# Altium PCB 2-quilter-output.PcbDoc (part 19 of 26)
Units mil, origin at the board's own origin, x right, y up, seen from the top; angles counter-clockwise.
Board outline 4130.55 x 4250 mil, 8 copper layers (L1, Ground L2, L3, Power L4, Ground L5, L6, Ground L7, L8), stack 62.985 mil thick; 591 components, 494 nets, 2245 pads, 1508 vias.
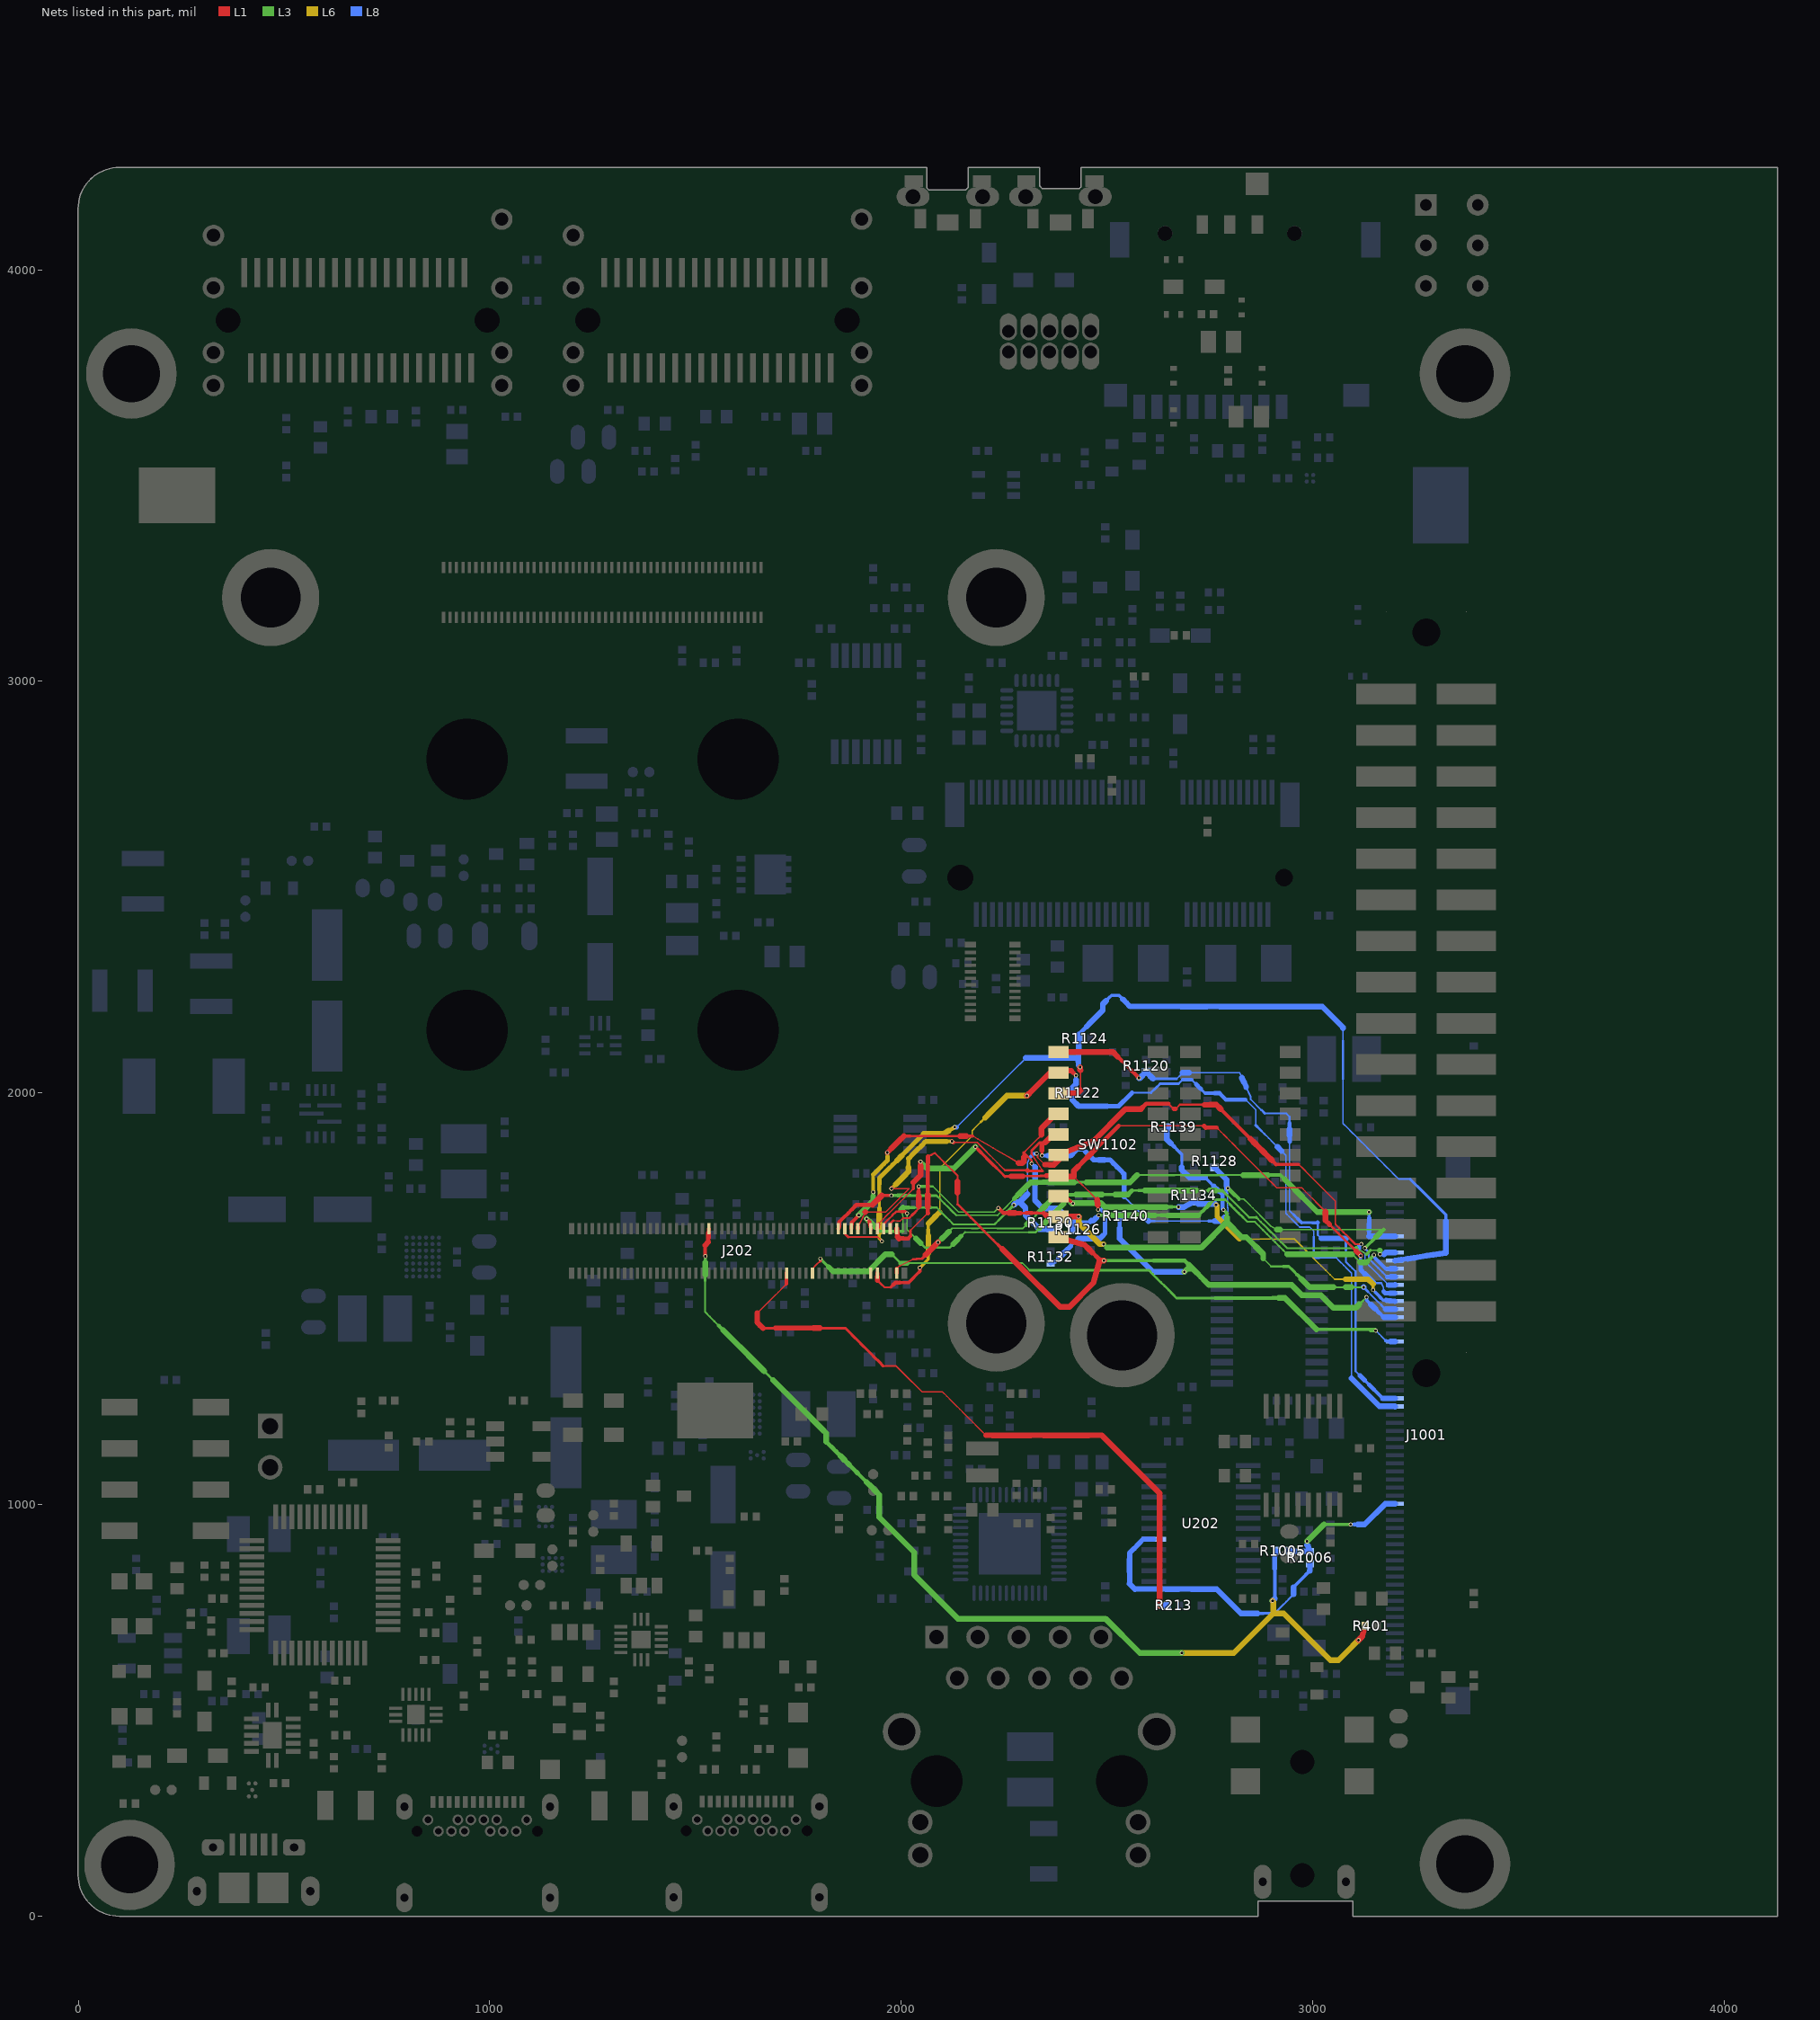
[diagram p25: the nets of this part, all layers, seen from the top]

## Via types
v1: diameter 9.85, hole 5.91, L1 to L8, tented both sides, 1508 vias

## Nets (pads, with @x,y where several pads share a name; then routed paths per layer and width w, separated by ;. In a path a pad name is that pad's centre, name@x,y a point inside that pad or via, vN(x,y) a via of type N, cw(c..) or ccw(c..) an arc to the next point about the centre after c; other vN are vias at no path point) (continued)
SAI1_RXD6: J202.92 J1001.26 R1120.1 SW1102.1 | length 1534.7
  L1 w6.9: 2536.41,2077.69 2546.96,2067.15 2557.5,2056.6
  L1 w9.96: 2525.87,2088.24 2536.41,2077.69 ; 2557.5,2056.6 2568.04,2046.06 v1(2578.02,2036.09)
  L1 w14.05: SW1102.1@2382.63,2098.79 2515.32,2098.78 2525.87,2088.24
  L8 w3.83: 2669.92,2034.07 2677.3,2041.45 2684.67,2048.83 ; 2700.04,2048.82 2715.39,2048.82 2730.75,2048.82 2746.1,2048.82 2761.45,2048.82 2776.81,2048.82 2792.16,2048.82 2807.52,2048.82 2822.87,2048.82 2828.24,2037.12 ; 2838.99,2013.72 2844.36,2002.02 2849.73,1990.32 2849.73,1984.1 2858.33,1975.5 2866.92,1966.91 2875.51,1958.32 ; 2936.8,1949.72 2944.33,1942.18 ; 2944.33,1881.25 2944.33,1866.02 2944.33,1850.78 2944.33,1835.55 2944.33,1820.32 2944.33,1805.08 2944.33,1789.85 2944.33,1774.61 2944.33,1759.38 2944.33,1744.15 2944.33,1728.91 2944.33,1713.68 2954.01,1704
  L8 w4.85: 2884.11,1949.72 2897.28,1949.72 2910.45,1949.72 2923.62,1949.72 2936.8,1949.72 ; 2944.33,1926.95 2944.33,1942.18 ; 3012.87,1684.25 3012.87,1672.97 3012.87,1661.68 3012.87,1654.58 3021.14,1646.31 ; 3081.39,1617.71 3081.39,1603.42 3081.39,1589.13 3089.1,1581.42 3096.81,1573.71 3104.52,1566 3104.52,1550.85 3104.52,1535.71 3104.52,1520.57 3104.52,1505.43 3104.52,1490.29 3104.52,1475.15 3104.52,1460.01 3104.52,1444.87 3104.52,1429.73 3104.52,1414.59 3104.52,1399.45 3104.52,1384.31 3104.52,1369.16 3104.52,1354.02 3104.52,1338.88 3104.52,1323.74 3115.58,1312.68
  L8 w5.87: 2612.61,2034.07 2626.94,2034.07 2641.26,2034.07 2655.59,2034.07 2669.92,2034.07 ; 2875.51,1958.32 2884.11,1949.72 ; 2954.01,1704 2963.69,1694.32 ; 3081.39,1617.71 3081.39,1632.01 3081.39,1646.3
  L8 w6.9: 2973.37,1684.64 2973.75,1684.26 2986.79,1684.26 2999.82,1684.26
  L8 w7.92: 2963.69,1694.32 2973.37,1684.64 ; 2999.82,1684.26 3012.86,1684.26 ; 3126.64,1301.62 3137.7,1290.56 ; 3159.83,1268.43 3170.89,1257.37
  L8 w8.94: 3148.77,1279.5 3159.83,1268.43
  L8 w9.96: 2944.33,1911.72 2944.33,1926.95
  L8 w10.99: 2944.33,1881.25 2944.33,1896.48 ; 3137.7,1290.56 3148.77,1279.5
  L8 w12.01: 3115.58,1312.68 3126.64,1301.62
  L8 w13.03: 2833.61,2025.42 2838.99,2013.72 ; 3021.14,1646.31 3029.84,1646.31 3042.73,1646.31 3055.61,1646.31 3068.5,1646.31 3081.38,1646.31
  L8 w14.05: v1(2578.02,2036.09) 2580.91,2036.09 R1120.1@2595.74,2050.92 ; R1120.1@2595.75,2050.93 2612.61,2034.07 ; 2684.68,2048.82 2700.04,2048.82 ; 2828.24,2037.12 2833.61,2025.42 ; 2944.33,1896.48 2944.33,1911.72 ; 3170.89,1257.36 3178.74,1257.36 J1001.26@3200.73,1257.37
SAI1_RXD7: J202.94 J1001.27 R1122.1 SW1102.2 | length 2357.7
  L1 w4.85: 1942.22,1544.57 1950.77,1536.02 1959.32,1527.47 1967.23,1527.47 1975.14,1527.47
  L1 w7.92: 1975.14,1527.47 1980.89,1533.22 ; 1997.27,1538.98 2007.9,1538.98 2018.52,1538.98 2027.57,1548.03 2036.62,1557.08 2045.67,1566.13 v1(2045.67,1574.88)
  L1 w8.94: 2419.24,2048.01 v1(2425.01,2042.24)
  L1 w9.96: J202.94@1942.22,1553.25 J202.94@1942.21,1561.94 ; 1980.89,1533.22 1986.65,1538.98 1997.27,1538.98
  L1 w10.99: 2413.46,2053.78 2419.24,2048.01
  L1 w12.01: 1942.22,1544.57 J202.94@1942.22,1553.25
  L1 w14.05: v1(2305.74,1992.76) 2319.42,2006.43 2361.76,2048.78 SW1102.2@2382.63,2048.79 2407.64,2053.78 2413.46,2053.78
  L6 w3.5: 2094.15,1710.16 2094.15,1725.37 2094.15,1740.58 2094.15,1755.78 2094.15,1770.99 2094.15,1786.2 2094.15,1801.4 2094.15,1816.61 2103.98,1826.43 2113.8,1836.26 2123.62,1846.08 2133.44,1855.9 2143.27,1865.72 2153.09,1875.55 2162.91,1885.37 2172.73,1895.19 ; 2172.73,1908.21 2183.3,1918.78 2193.87,1929.35
  L6 w3.83: 2172.73,1895.19 2172.73,1908.21
  L6 w5.87: 2193.87,1929.35 2204.44,1939.91
  L6 w7.92: v1(2045.67,1574.88) 2055.88,1585.09 2066.09,1595.3 2066.09,1609.77 ; 2066.09,1667.63 2066.09,1682.1
  L6 w9.96: 2066.09,1653.17 2066.09,1667.63
  L6 w13.03: 2066.09,1609.77 2066.09,1624.24 2066.09,1638.7 2066.09,1653.17 ; 2066.09,1682.1 2075.45,1691.45 ; 2084.8,1700.81 2094.15,1710.16
  L6 w14.05: 2075.45,1691.45 2084.8,1700.81 ; 2204.44,1939.91 2215.01,1950.48 2225.58,1961.05 2236.15,1971.62 2246.72,1982.19 2257.29,1992.76 v1(2305.74,1992.76)
  L8 w3.83: 2561.72,2000.41 2577.04,2000.41 2592.35,2000.41 2607.66,2000.41 ; 2837.28,1983.67 2845.81,1975.14 2854.04,1966.9 2862.28,1958.67 2862.28,1946.15 2862.28,1933.64 2862.28,1921.12 ; 2883.12,1900.28 2893.54,1889.86 2903.96,1879.44 2914.38,1869.02 ; 2924.8,1858.6 2935.22,1848.18 2935.22,1832.49 2935.22,1816.8 2935.22,1801.12 2935.22,1785.43 2935.22,1769.74 2935.22,1754.06 2935.22,1738.37 2935.22,1722.69 2935.22,1707 2943.6,1698.62 2951.98,1690.24 2960.36,1681.86 2968.74,1673.48 2981.1,1673.48 2993.45,1673.48 3003.24,1663.68 3003.24,1650.89 ; 3003.24,1599.73 3003.24,1612.52 ; 3057.18,1599.73 3066.61,1590.3 3076.04,1580.87 3085.47,1571.44 3094.89,1562.01 3094.89,1546.95 3094.89,1531.89 3094.89,1516.83 3094.89,1501.78 3094.89,1486.72 3094.89,1471.66 3094.89,1456.6 3094.89,1441.54 3094.89,1426.48 3094.89,1411.42 3094.89,1396.37 3094.89,1381.31 3094.89,1366.25 3094.89,1351.19 3094.89,1336.13 3094.89,1321.07 3094.89,1306.02
  L8 w4.85: 2674.88,2022.41 2684.39,2031.92 ; 2706.07,2031.92 2717.13,2020.86 ; 2872.7,1910.7 2883.12,1900.28 ; 3003.24,1612.52 3003.24,1625.31 3003.24,1638.1 3003.24,1650.89
  L8 w5.87: 2607.66,2000.41 2618.66,2011.41 2629.66,2022.41 ; 3016.73,1599.73 3030.21,1599.73 3043.7,1599.73 3057.18,1599.73
  L8 w6.9: 2629.66,2022.41 2644.73,2022.41 2659.8,2022.41 2674.88,2022.41 ; 2728.19,2009.8 2739.25,1998.74 ; 2862.28,1921.12 2872.7,1910.7 ; 3003.25,1599.73 3016.73,1599.73
  L8 w8.94: 2425.01,2031.8 v1(2425.01,2042.24) ; 2684.39,2031.92 2695.23,2031.92 2706.07,2031.92 ; 2739.25,1998.74 2750.98,1998.74 2762.72,1998.74
  L8 w9.96: 2774.45,1998.74 2781.99,1991.21 2789.52,1983.68 2801.46,1983.68 2813.4,1983.68 2825.34,1983.68 2837.28,1983.68
  L8 w10.99: 2500.96,1967.45 2514.86,1967.45 2528.76,1967.45 ; 2539.75,1978.44 2550.73,1989.43 2561.72,2000.41 ; 2717.13,2020.86 2728.19,2009.8 ; 2762.72,1998.74 2774.45,1998.74
  L8 w12.01: 2528.76,1967.45 2539.75,1978.44
  L8 w14.05: 2425.01,2031.8 2425.01,2021.36 2413.09,2009.44 R1122.1@2415.09,1999.28 2416.39,1982.51 2431.44,1967.45 2445.35,1967.45 2459.25,1967.45 2473.15,1967.45 2487.05,1967.45 2500.96,1967.45 ; 2914.38,1869.02 2924.8,1858.6 ; 3094.89,1306.02 3162.89,1238.02 3200.39,1238.02 J1001.27@3200.73,1237.69
SAI1_RXFS: J202.74 J1001.19 | length 1557.6
  L1 w3.83: J202.74@1784.75,1572.65 1794.18,1582.08 1803.61,1591.51
  L1 w5.87: J202.74@1784.73,1561.94 J202.74@1784.74,1572.65
  L1 w7.92: 1803.61,1591.51 v1(1803.61,1597.01)
  L3 w3.83: 2014.36,1586.14 2029.95,1586.14 2045.55,1586.14 2061.15,1586.14 2076.74,1586.14 2092.34,1586.14 2107.93,1586.14 2123.53,1586.14 2139.12,1586.14 2154.72,1586.14 2170.31,1586.14 2185.91,1586.14 2201.51,1586.14 2217.1,1586.14 2232.7,1586.14 2248.29,1586.14 2263.89,1586.14 2279.48,1586.14 2295.08,1586.14 2303.85,1577.38 2312.61,1568.61
  L3 w5.87: 1977.01,1607.9 1987.89,1597.02 ; 2312.61,1568.61 2327.86,1568.61 2343.11,1568.61 2358.36,1568.61 2373.61,1568.61 2388.86,1568.61 2404.11,1568.61 2419.36,1568.61 2434.61,1568.61 2449.86,1568.61 2465.11,1568.61 2480.36,1568.61 2495.61,1568.61 2510.86,1568.61 2526.11,1568.61 2541.36,1568.61 2556.61,1568.61 2571.86,1568.61 2587.11,1568.61 2602.36,1568.61 2612,1558.97 2621.64,1549.33 2631.28,1539.69 2640.92,1530.05 2650.56,1520.41 2660.2,1510.77 2669.84,1501.13
  L3 w6.9: 1987.89,1597.02 1998.76,1586.14 ; 2669.84,1501.13 2685.35,1501.13 2700.87,1501.13 2716.38,1501.13 2731.9,1501.13 2747.41,1501.13 2762.93,1501.13 ; 3009.56,1425.15 3024.07,1425.15 3038.58,1425.15 3053.08,1425.15 3067.59,1425.15 ; 3125.62,1425.15 3140.13,1425.15
  L3 w7.92: v1(1803.61,1597.01) 1813.93,1586.7 1824.24,1576.38 ; 3067.59,1425.15 3082.1,1425.15 3096.61,1425.15 3111.12,1425.15 3125.62,1425.15 ; 3140.13,1425.15 3141.66,1423.62
  L3 w8.94: 2762.93,1501.13 2778.44,1501.13 2793.95,1501.13 2809.47,1501.13 2824.98,1501.13 2840.5,1501.13 2856.01,1501.13 2871.53,1501.13 2887.04,1501.13 2902.56,1501.13 ; v1@3151.82,1423.62 v1(3153.44,1422)
  L3 w9.96: 2902.56,1501.13 2918.07,1501.13
  L3 w10.99: 3141.66,1423.62 v1@3151.82,1423.62
  L3 w12.01: 1998.76,1586.14 2014.36,1586.14
  L3 w13.03: 1824.24,1576.38 1834.56,1566.06
  L3 w14.05: 1834.57,1566.06 1920.46,1566.06 1962.3,1607.9 1977.01,1607.9 ; 2918.07,1501.13 2933.59,1501.13 3009.56,1425.15
  L8 w3.83: v1@3153.95,1422 3162.3,1413.65 3170.66,1405.3 J1001.19@3179.01,1396.95
  L8 w7.92: v1(3153.44,1422) v1@3153.95,1422
  L8 w8.94: J1001.19@3179.01,1396.95 J1001.19@3189.87,1396.05
  L8 w14.05: J1001.19@3189.87,1396.05 J1001.19@3200.73,1395.17
SAI1_TXC: J202.81 J1001.6 | length 1550.8
  L1 w7.92: 1952.96,1750.23 1964.34,1750.23 v1(1976.55,1750.23)
  L1 w8.94: 1850.08,1686.32 1860.36,1696.59 1870.63,1706.87 1880.91,1717.14
  L1 w9.96: J202.81@1847.72,1669.64 1850.08,1676.04 1850.08,1686.32 ; 1880.91,1717.14 1891.18,1727.42 1904.17,1727.42 1917.16,1727.42 1930.14,1727.42
  L1 w14.05: 1930.14,1727.42 1952.96,1750.23
  L3 w3.5: 2134.06,1702.25 2148.42,1702.25 2162.78,1702.25 2177.14,1702.25 2191.5,1702.25 2205.87,1702.25 2220.23,1702.25 2234.59,1702.25 ; 2244.62,1712.29 2254.66,1722.32 2264.69,1732.36 2274.72,1742.39
  L3 w3.83: 2234.59,1702.25 2244.62,1712.29
  L3 w4.85: 2086.05,1750.23 2095.64,1740.64 2105.24,1731.04 2114.83,1721.45 2124.43,1711.85 2134.02,1702.26 ; 2574.09,1800.1 2589.22,1800.1 2604.35,1800.1 ; 2664.86,1800.1 2679.99,1800.1 ; 2785.88,1800.1 2801.01,1800.1 2816.14,1800.1 2831.27,1800.1
  L3 w5.87: 2023.48,1750.23 2039.12,1750.23 2054.76,1750.23 2070.41,1750.23 2086.05,1750.23 ; 2604.35,1800.1 2619.48,1800.1 2634.6,1800.1 2649.73,1800.1 2664.86,1800.1 ; 2679.99,1800.1 2695.12,1800.1 2710.24,1800.1 2725.37,1800.1 2740.5,1800.1 2755.63,1800.1 2770.76,1800.1 2785.88,1800.1
  L3 w6.9: 2420.58,1782.53 2435.68,1782.53 2450.78,1782.53
  L3 w7.92: v1(1976.55,1750.23) 1992.19,1750.23 ; 2007.83,1750.23 2023.48,1750.23
  L3 w8.94: 2891.78,1800.1 2906.91,1800.1 2922.04,1800.1 2932.06,1790.08
  L3 w9.96: 1992.19,1750.23 2007.83,1750.23
  L3 w10.99: 2274.72,1742.39 2284.76,1752.42
  L3 w12.01: 2329.96,1782.53 2345.07,1782.53
  L3 w13.03: 2345.07,1782.53 2360.17,1782.53 ; 3002.2,1719.94 3012.22,1709.92
  L3 w14.05: 2284.76,1752.42 2294.79,1762.46 2304.83,1772.49 2314.86,1782.53 2329.96,1782.53 ; 2360.17,1782.53 2375.27,1782.53 2390.37,1782.53 2405.48,1782.53 2420.58,1782.53 ; 2450.78,1782.53 2465.89,1782.53 2480.99,1782.53 2496.09,1782.53 2511.19,1782.53 2526.3,1782.53 2541.4,1782.53 2556.5,1782.53 2574.08,1800.11 ; 2831.27,1800.1 2846.4,1800.1 2861.53,1800.1 2876.65,1800.1 2891.78,1800.1 ; 2932.06,1790.08 2942.08,1780.06 2952.1,1770.04 2962.12,1760.02 2972.14,1750 2982.16,1739.98 2992.18,1729.96 3002.2,1719.94 ; 3012.22,1709.92 v1(3137.7,1709.92)
  L8 w7.92: 3137.7,1695.21 v1(3137.7,1709.92)
  L8 w9.96: 3137.7,1651.08 3137.7,1665.79
  L8 w10.99: 3137.7,1680.5 3137.7,1695.21
  L8 w12.01: 3137.7,1665.79 3137.7,1680.5
  L8 w14.05: 3137.71,1651.06 J1001.6@3200.73,1651.07
SAI1_TXD0: J202.83 J1001.9 R1124.1 SW1102.3 | length 2578.8
  L1 w3.5: 1871.47,1649.5 1885.54,1649.5 1900.04,1649.5 1914.54,1649.5 1929.04,1649.5 1943.54,1649.5 ; 2436.18,2005.99 2436.18,2013.61 2436.18,2027.34 2436.18,2041.06 2436.18,2054.79
  L1 w3.83: 1943.54,1649.5 v1(1953.72,1639.32)
  L1 w5.87: J202.83@1863.48,1657.49 1871.47,1649.5
  L1 w6.9: J202.83@1863.48,1657.49 J202.83@1863.47,1669.64
  L1 w14.05: SW1102.3@2382.63,1998.79 2429.94,1999.75 2436.18,2005.99 ; v1(2435.44,2062.37) 2435.44,2055.54 2436.18,2054.79
  L6 w6.9: 1947.24,1719.37 1947.24,1734.08 1947.24,1748.8
  L6 w7.92: 1947.24,1660.52 1947.24,1645.81 v1(1953.72,1639.32)
  L6 w8.94: 1947.24,1748.8 1947.24,1763.51
  L6 w9.96: 1947.24,1763.51 1947.24,1778.22 ; 2116.7,1908.51 v1(2130.1,1916.51)
  L6 w10.99: 1947.24,1704.66 1947.24,1719.37 ; 1947.24,1778.22 1947.24,1792.93 1957.99,1803.69 1968.75,1814.45 1979.51,1825.21 1990.27,1835.96 ; 2001.03,1846.72 2011.78,1857.48 2022.54,1868.24 2033.3,1879 2044.06,1889.75 2054.82,1900.51
  L6 w14.05: 1947.24,1660.52 1947.24,1675.23 1947.24,1689.95 1947.24,1704.66 ; 1990.27,1835.96 2001.03,1846.72 ; 2054.82,1900.51 2103.29,1900.51 2116.7,1908.51
  L8 w3.5: 2135.27,1916.51 2145.78,1927.02 2156.28,1937.53 2166.79,1948.03 2177.3,1958.54 2187.8,1969.04 2198.31,1979.55 2208.82,1990.06 2219.32,2000.56 2229.83,2011.07 2240.33,2021.57 2250.84,2032.08 2261.35,2042.59 2271.85,2053.09 2282.36,2063.6 2292.87,2074.11 2303.37,2084.61 ; 3074.42,1925.48 3084.8,1915.1 3095.18,1904.72 3105.56,1894.33 3115.95,1883.95 3126.33,1873.57 3136.71,1863.19 3147.09,1852.81 3157.47,1842.43 3167.85,1832.05 3178.23,1821.67 3188.61,1811.29 3198.99,1800.91 3209.37,1790.53 3223.3,1790.53 3237.22,1790.53
  L8 w3.83: 3074.42,1925.48 3074.42,1940.91 3074.42,1956.34 3074.42,1971.77 3074.42,1987.21 3074.42,2002.64 3074.42,2018.07 3074.42,2033.5 ; 3074.42,2126.1 3074.42,2141.53 3074.42,2156.96
  L8 w5.87: 3074.42,2033.5 3074.42,2048.94 3074.42,2064.37 3074.42,2079.8 3074.42,2095.23 3074.42,2110.67 3074.42,2126.1
  L8 w6.9: 3237.22,1790.53 3248.09,1779.65 3258.97,1768.77 3269.85,1757.9 3280.72,1747.02 3291.6,1736.14 3302.48,1725.27 3313.35,1714.39 3324.23,1703.51 3324.23,1688.1
  L8 w7.92: 2498.05,2223.25 2505.78,2230.98 2511.48,2236.68 2520.63,2236.68 2529.77,2236.68 2538.77,2227.68
  L8 w8.94: 2431.17,2066.63 v1(2435.44,2062.37)
  L8 w9.96: 2431.67,2142.09 2441.45,2151.86 2451.22,2161.64
  L8 w10.99: v1(2130.1,1916.51) 2135.27,1916.51
  L8 w13.03: 2431.17,2066.63 2431.17,2075.62 ; 2538.77,2227.68 2547.76,2218.69 2556.76,2209.69 2572.33,2209.69 2587.9,2209.69 2603.47,2209.69 2619.04,2209.69 2634.61,2209.69 2650.18,2209.69 2665.75,2209.69 2681.32,2209.69 ; 2743.61,2209.69 2759.18,2209.69 2774.75,2209.69 ; J1001.9@3216.17,1594.38 3231.6,1596.76
  L8 w14.05: 2303.37,2084.61 2431.17,2084.61 ; 2431.17,2075.62 2431.17,2084.61 ; R1124.1@2431.67,2142.09 R1124.1@2431.68,2132.09 2431.67,2103.6 2431.17,2103.11 2431.17,2084.61 ; 2451.22,2161.64 2460.99,2171.41 2470.76,2181.18 2480.54,2190.96 2490.31,2200.73 2490.31,2215.51 2498.05,2223.25 ; 2681.32,2209.69 2696.89,2209.69 2712.46,2209.69 2728.04,2209.69 2743.61,2209.69 ; 2774.75,2209.69 2790.32,2209.69 2805.89,2209.69 2821.46,2209.69 2837.03,2209.69 2852.6,2209.69 2868.17,2209.69 2883.74,2209.69 2899.31,2209.69 2914.88,2209.69 2930.45,2209.69 2946.02,2209.69 2961.59,2209.69 2977.16,2209.69 2992.73,2209.69 3008.3,2209.69 3023.87,2209.69 3074.42,2159.15 3074.42,2156.97 ; J1001.9@3200.73,1592.02 J1001.9@3216.17,1594.38 ; 3231.6,1596.76 3247.04,1599.14 3262.48,1601.52 3277.92,1603.89 3293.35,1606.27 3308.79,1608.65 3324.23,1611.02 ; 3324.23,1611.04 3324.23,1626.45 3324.23,1641.87 3324.23,1657.28 3324.23,1672.69 3324.23,1688.1
SAI1_TXD1: J202.85 J1001.10 R1126.1 SW1102.4 | length 1909
  L1 w3.5: 2174.24,1894.96 2186.64,1887.69 2199.05,1880.42 2211.45,1873.15 2223.86,1865.87 2236.26,1858.6 2248.67,1851.33 2261.07,1844.06 2273.47,1836.79 2285.88,1829.52 ; 2298.31,1854.52 2307.89,1864.09 2317.46,1873.67 2327.04,1883.24 2336.61,1892.82 2341.4,1897.61
  L1 w4.85: 2021.95,1894.96 2037.18,1894.96 ; 2098.09,1894.96 2113.32,1894.96 2128.55,1894.96 ; 2308,1844.83 2317.69,1835.14 v1(2317.69,1827.73)
  L1 w5.87: 2037.18,1894.96 2052.41,1894.96 2067.63,1894.96 2082.86,1894.96 2098.09,1894.96 ; 2128.55,1894.96 2143.78,1894.96 ; 2298.31,1854.52 2308,1844.83
  L1 w7.92: 2006.72,1894.96 2021.95,1894.96 ; 2159.01,1894.96 2174.24,1894.96 ; 2298.31,1843.76 2298.31,1854.51
  L1 w8.94: 1880.47,1685.28 1888.77,1693.57 1897.07,1701.87 v1(1897.07,1702.64)
  L1 w9.96: J202.85@1879.22,1669.64 1880.47,1685.28
  L1 w12.01: v1(1966.67,1854.91) 1976.68,1864.92
  L1 w14.05: 1976.68,1864.92 1986.69,1874.94 1996.71,1884.95 2006.72,1894.96 ; 2143.78,1894.96 2159.01,1894.96 ; 2285.89,1829.51 2294.82,1829.51 2298.31,1833 2298.31,1843.76 ; 2341.4,1897.61 2341.4,1913.74 2376.44,1948.78 SW1102.4@2382.63,1948.79
  L3 w4.85: 2788.2,1740.07 2798.93,1729.34 ; 2831.1,1697.17 2841.83,1686.44 2850.9,1686.44 2859.98,1686.44 2869.83,1676.59 2879.69,1666.73 2889.55,1656.87 2899.4,1647.02 2909.26,1637.16 2919.11,1627.3 2928.97,1617.45 2938.83,1607.59 ; 3096.47,1607.59 3105.57,1598.49 3114.67,1589.39
  L3 w5.87: 2751.23,1730.63 2760.66,1740.07 2774.43,1740.07 2788.2,1740.07 ; 2798.93,1729.34 2809.65,1718.62 2820.38,1707.89 2831.1,1697.17
  L3 w7.92: v1(2480.41,1702.34) 2495.57,1702.34 ; 2616.83,1702.34 2631.99,1702.34 ; 2722.94,1702.34 2732.37,1711.77 ; 3140.84,1597.35 v1(3149.37,1605.89)
  L3 w8.94: 1932.2,1748.24 v1(1932.2,1758.7) ; 2732.37,1711.77 2741.8,1721.2 ; 3132.31,1588.82 3140.84,1597.35
  L3 w9.96: 2631.99,1702.34 2647.15,1702.34 ; 2741.8,1721.2 2751.23,1730.63
  L3 w10.99: 3114.67,1589.39 3116.11,1587.95
  L3 w13.03: 2601.68,1702.34 2616.83,1702.34 ; 2647.15,1702.34 2662.31,1702.34 2677.46,1702.34 2692.62,1702.34 2707.78,1702.34 2722.94,1702.34
  L3 w14.05: v1(1897.07,1702.64) 1932.2,1737.77 1932.2,1748.24 ; 2495.57,1702.34 2510.73,1702.34 2525.89,1702.34 2541.05,1702.34 2556.2,1702.34 2571.36,1702.34 2586.52,1702.34 2601.68,1702.34 ; 2938.83,1607.59 3096.47,1607.59 ; 3116.11,1587.95 3131.44,1587.95 3132.31,1588.82
  L6 w7.92: v1(1932.2,1758.7) 1932.2,1772.77 1932.2,1786.84 1932.2,1800.91
  L6 w8.94: 1966.67,1845.14 v1(1966.67,1854.91)
  L6 w10.99: 1932.2,1800.91 1940.82,1809.53 1949.43,1818.14 1958.05,1826.76 1966.67,1835.38 1966.67,1845.14
  L8 w7.92: v1(2317.69,1827.73) 2325.81,1819.61 ; 2421.86,1685.79 2434.18,1685.79 2446.5,1685.79 2458.82,1685.79 ; 2474.04,1695.97 v1(2480.41,1702.34)
  L8 w8.94: R1126.1@2417.62,1675.66 2420.15,1684.08 ; v1(3149.37,1605.89) 3149.37,1601.62 3159.14,1591.86 3168.91,1582.09 3178.67,1572.32 J1001.10@3189.7,1572.32
  L8 w10.99: R1126.1@2415.09,1667.25 R1126.1@2417.62,1675.66 ; 2458.82,1685.79 2462.64,1689.6
  L8 w13.03: 2325.81,1738.05 2325.81,1751.64 2325.81,1765.24 2325.81,1778.83
  L8 w14.05: 2325.81,1738.04 2344.8,1719.05 2381.47,1719.05 2404.53,1695.98 2415.32,1685.19 R1126.1@2412.56,1675.73 ; 2325.81,1778.83 2325.81,1792.43 2325.81,1806.02 2325.81,1819.61 ; R1126.1@2412.56,1675.72 R1126.1@2415.09,1667.25 ; 2420.15,1684.08 2421.86,1685.79 ; 2462.64,1689.6 2467.68,1689.6 2474.04,1695.97 ; J1001.10@3189.7,1572.32 J1001.10@3200.73,1572.33
SAI1_TXD2: J202.87 J1001.11 R1128.1 SW1102.5 | length 2144.1
  L1 w3.5: 1901.03,1686.01 1907.07,1698.07 1913.1,1710.12 ; 1913.1,1710.13 1925.51,1710.13 1937.91,1710.13 1950.32,1710.13 1962.72,1710.13 1972.22,1719.62 1981.72,1729.12 1991.22,1738.62 2000.72,1748.12 2010.22,1757.62 2019.72,1767.12 ; v1@1976.91,1767.13 1991.18,1767.13 2005.45,1767.13 2019.72,1767.13 ; v1@2126.9,1879.23 2141.44,1879.23 2155.99,1879.23 2170.53,1879.23 2185.07,1879.23 2194.73,1869.57 2204.4,1859.91 2214.06,1850.25 2223.72,1840.59 2233.38,1830.92 2243.04,1821.26 2252.71,1811.6 ; 2317.36,1851.64 2324.06,1841.18 2330.76,1830.72 2337.47,1820.26 2344.17,1809.79